# Altium PCB MOTHER_BOARD_LS1021_v1.0.PcbDoc (part 1 of 15) (continued)
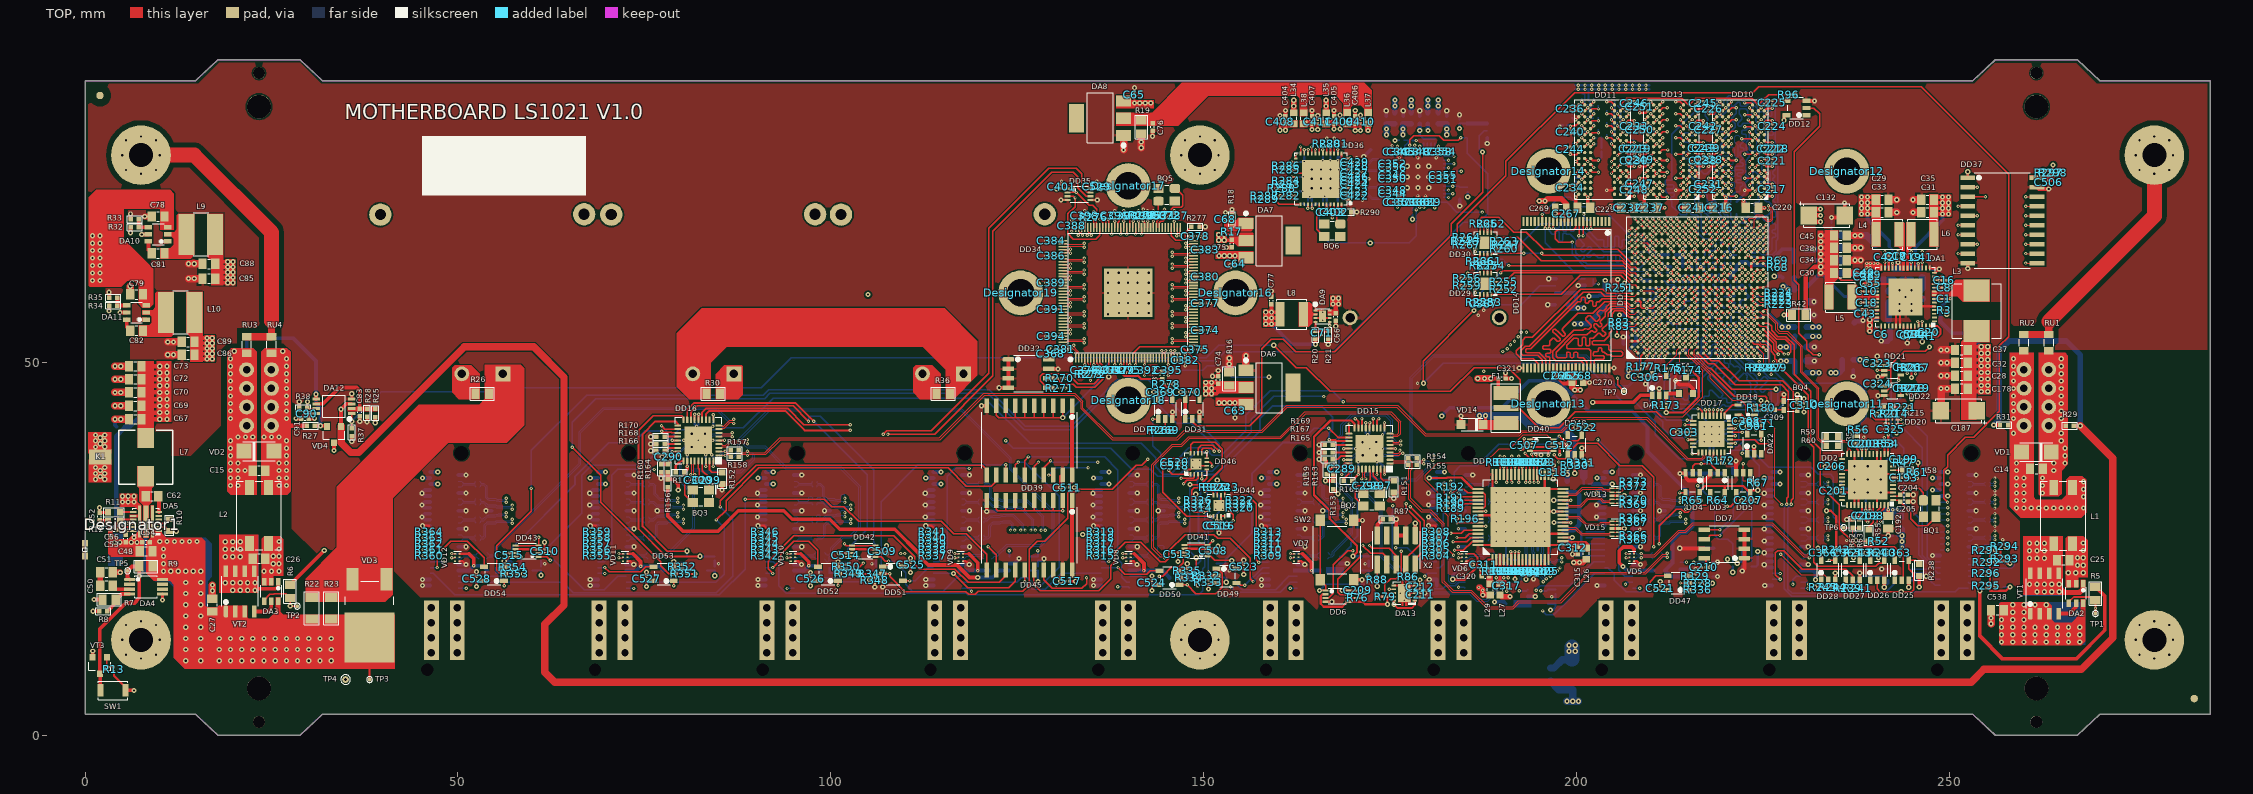
[diagram p0: TOP view]
## Classes and differential pairs (continued)
differential pair class 90: HUB1_USB1_D HUB1_USB2_D HUB1_USB3_D HUB1_USB4_D HUB2_USB1_D HUB2_USB2_D HUB2_USB3_D HUB2_USB4_D USB1 USB1_D USB2_D USB3_D USB4_D USB5_D USB6_D USB7_D USB8_D USB_ULPI
differential pair class 100: CPU_TXRX_A CPU_TXRX_B CPU_TXRX_C CPU_TXRX_D DDR_CK DDR_DQS0 DDR_DQS1 DDR_DQS2 DDR_DQS3 DDR_DQS8 HDMI_TX0_OUT HDMI_TX1_OUT HDMI_TX2_OUT HDMI_TXC_OUT P0_TXRX_A P0_TXRX_B P0_TXRX_C P0_TXRX_D P1_TXRX_A P1_TXRX_B P1_TXRX_C P1_TXRX_D P2_TXRX_A P2_TXRX_B P2_TXRX_C P2_TXRX_D P3_TXRX_A P3_TXRX_B P3_TXRX_C P3_TXRX_D P4_TXRX_A P4_TXRX_B P4_TXRX_C P4_TXRX_D P5_TXRX_A P5_TXRX_B P5_TXRX_C P5_TXRX_D P6_TXRX_A P6_TXRX_B P6_TXRX_C P6_TXRX_D P7_TXRX_A P7_TXRX_B P7_TXRX_C P7_TXRX_D P8_TXRX_A P8_TXRX_B P8_TXRX_C P8_TXRX_D P9_SGMII_RX P9_SGMII_TX P10_SGMII_RX P10_SGMII_TX PHY1_TXRX_A PHY1_TXRX_B PHY1_TXRX_C PHY1_TXRX_D PHY2_TXRX_A PHY2_TXRX_B PHY2_TXRX_C PHY2_TXRX_D PHY3_TXRX_A PHY3_TXRX_B PHY3_TXRX_C PHY3_TXRX_D PHY4_TXRX_A PHY4_TXRX_B PHY4_TXRX_C PHY4_TXRX_D PHY5_TXRX_A PHY5_TXRX_B PHY5_TXRX_C PHY5_TXRX_D PHY6_TXRX_A PHY6_TXRX_B PHY6_TXRX_C PHY6_TXRX_D PHY7_TXRX_A PHY7_TXRX_B PHY7_TXRX_C PHY7_TXRX_D PHY8_TXRX_A PHY8_TXRX_B PHY8_TXRX_C PHY8_TXRX_D SD1_REFCLK SD1_RX2 SD1_RX3 SD1_TX2 SD1_TX3 SGMII0_RX SGMII0_TX SGMII1_RX SGMII1_TX
net class LCD: 2D_D00 2D_D01 2D_D02 2D_D03 2D_D04 2D_D05 2D_D06 2D_D07 2D_D08 2D_D09 2D_D10 2D_D11 C_CLK CD_EN CH_SYNC CV_SYNC
net class DDR_AddressAndControls: DDR_A0 DDR_A1 DDR_A2 DDR_A3 DDR_A4 DDR_A5 DDR_A6 DDR_A7 DDR_A8 DDR_A9 DDR_A10 DDR_A11 DDR_A12 DDR_A13 DDR_A14 DDR_A15 DDR_BA0 DDR_BA1 DDR_BA2 DDR_CAS DDR_CK_N DDR_CK_P DDR_CS DDR_ODT DDR_RAS DDR_WE
net class 12V: PVIN VIN1 VIN1+ VIN1- VIN2 VIN2+ VIN2-
differential pair CPU_TXRX_A: +CPU_TXRX_A_P -CPU_TXRX_A_N
differential pair CPU_TXRX_B: +CPU_TXRX_B_P -CPU_TXRX_B_N
differential pair CPU_TXRX_C: +CPU_TXRX_C_P -CPU_TXRX_C_N
differential pair CPU_TXRX_D: +CPU_TXRX_D_P -CPU_TXRX_D_N
differential pair DDR_CK: +DDR_CK_P -DDR_CK_N
differential pair DDR_DQS0: +DDR_DQS0_P -DDR_DQS0_N
differential pair DDR_DQS1: +DDR_DQS1_P -DDR_DQS1_N
differential pair DDR_DQS2: +DDR_DQS2_P -DDR_DQS2_N
differential pair DDR_DQS3: +DDR_DQS3_P -DDR_DQS3_N
differential pair DDR_DQS8: +DDR_DQS8_P -DDR_DQS8_N
differential pair HDMI_TX0_OUT: +HDMI_TX0_OUT_P -HDMI_TX0_OUT_N
differential pair HDMI_TX1_OUT: +HDMI_TX1_OUT_P -HDMI_TX1_OUT_N
differential pair HDMI_TX2_OUT: +HDMI_TX2_OUT_P -HDMI_TX2_OUT_N
differential pair HDMI_TXC_OUT: +HDMI_TXC_OUT_P -HDMI_TXC_OUT_N
differential pair HUB1_USB1_D: +HUB1_USB1_D_P -HUB1_USB1_D_N
differential pair HUB1_USB2_D: +HUB1_USB2_D_P -HUB1_USB2_D_N
differential pair HUB1_USB3_D: +HUB1_USB3_D_P -HUB1_USB3_D_N
differential pair HUB1_USB4_D: +HUB1_USB4_D_P -HUB1_USB4_D_N
differential pair HUB2_USB1_D: +HUB2_USB1_D_P -HUB2_USB1_D_N
differential pair HUB2_USB2_D: +HUB2_USB2_D_P -HUB2_USB2_D_N
differential pair HUB2_USB3_D: +HUB2_USB3_D_P -HUB2_USB3_D_N
differential pair HUB2_USB4_D: +HUB2_USB4_D_P -HUB2_USB4_D_N
differential pair P0_TXRX_A: +P0_TXRX_A_P -P0_TXRX_A_N
differential pair P0_TXRX_B: +P0_TXRX_B_P -P0_TXRX_B_N
differential pair P0_TXRX_C: +P0_TXRX_C_P -P0_TXRX_C_N
differential pair P0_TXRX_D: +P0_TXRX_D_P -P0_TXRX_D_N
differential pair P9_SGMII_RX: +P9_SGMII_RX_P -P9_SGMII_RX_N
differential pair P9_SGMII_TX: +P9_SGMII_TX_P -P9_SGMII_TX_N
differential pair P10_SGMII_RX: +P10_SGMII_RX_P -P10_SGMII_RX_N
differential pair P10_SGMII_TX: +P10_SGMII_TX_P -P10_SGMII_TX_N
differential pair PHY1_TXRX_A: +PHY1_TXRX_A_P -PHY1_TXRX_A_N
differential pair PHY1_TXRX_B: +PHY1_TXRX_B_P -PHY1_TXRX_B_N
differential pair PHY1_TXRX_C: +PHY1_TXRX_C_P -PHY1_TXRX_C_N
differential pair PHY1_TXRX_D: +PHY1_TXRX_D_P -PHY1_TXRX_D_N
differential pair PHY2_TXRX_A: +PHY2_TXRX_A_P -PHY2_TXRX_A_N
differential pair PHY2_TXRX_B: +PHY2_TXRX_B_P -PHY2_TXRX_B_N
differential pair PHY2_TXRX_C: +PHY2_TXRX_C_P -PHY2_TXRX_C_N
differential pair PHY2_TXRX_D: +PHY2_TXRX_D_P -PHY2_TXRX_D_N
differential pair PHY3_TXRX_A: +PHY3_TXRX_A_P -PHY3_TXRX_A_N
differential pair PHY3_TXRX_B: +PHY3_TXRX_B_P -PHY3_TXRX_B_N
differential pair PHY3_TXRX_C: +PHY3_TXRX_C_P -PHY3_TXRX_C_N
differential pair PHY3_TXRX_D: +PHY3_TXRX_D_P -PHY3_TXRX_D_N
differential pair PHY4_TXRX_A: +PHY4_TXRX_A_P -PHY4_TXRX_A_N
differential pair PHY4_TXRX_B: +PHY4_TXRX_B_P -PHY4_TXRX_B_N
differential pair PHY4_TXRX_C: +PHY4_TXRX_C_P -PHY4_TXRX_C_N
differential pair PHY4_TXRX_D: +PHY4_TXRX_D_P -PHY4_TXRX_D_N
differential pair PHY5_TXRX_A: +PHY5_TXRX_A_P -PHY5_TXRX_A_N
differential pair PHY5_TXRX_B: +PHY5_TXRX_B_P -PHY5_TXRX_B_N
differential pair PHY5_TXRX_C: +PHY5_TXRX_C_P -PHY5_TXRX_C_N
differential pair PHY5_TXRX_D: +PHY5_TXRX_D_P -PHY5_TXRX_D_N
differential pair PHY6_TXRX_A: +PHY6_TXRX_A_P -PHY6_TXRX_A_N
differential pair PHY6_TXRX_B: +PHY6_TXRX_B_P -PHY6_TXRX_B_N
differential pair PHY6_TXRX_C: +PHY6_TXRX_C_P -PHY6_TXRX_C_N
differential pair PHY6_TXRX_D: +PHY6_TXRX_D_P -PHY6_TXRX_D_N
differential pair PHY7_TXRX_A: +PHY7_TXRX_A_P -PHY7_TXRX_A_N
differential pair PHY7_TXRX_B: +PHY7_TXRX_B_P -PHY7_TXRX_B_N
differential pair PHY7_TXRX_C: +PHY7_TXRX_C_P -PHY7_TXRX_C_N
differential pair PHY7_TXRX_D: +PHY7_TXRX_D_P -PHY7_TXRX_D_N
differential pair PHY8_TXRX_A: +PHY8_TXRX_A_P -PHY8_TXRX_A_N
differential pair PHY8_TXRX_B: +PHY8_TXRX_B_P -PHY8_TXRX_B_N
differential pair PHY8_TXRX_C: +PHY8_TXRX_C_P -PHY8_TXRX_C_N
differential pair PHY8_TXRX_D: +PHY8_TXRX_D_P -PHY8_TXRX_D_N
differential pair SD1_REFCLK: +SD1_REFCLK_P -SD1_REFCLK_N
differential pair SD1_RX2: +SD1_RX2_P -SD1_RX2_N
differential pair SD1_RX3: +SD1_RX3_P -SD1_RX3_N
differential pair SD1_TX2: +SD1_TX2_P -SD1_TX2_N
differential pair SD1_TX3: +SD1_TX3_P -SD1_TX3_N
differential pair USB1: +USB1_P -USB1_N
differential pair USB_ULPI: +USB_ULPI_P -USB_ULPI_N
differential pair SGMII0_RX: +SGMII0_RX_P -SGMII0_RX_N
differential pair SGMII0_TX: +SGMII0_TX_P -SGMII0_TX_N
differential pair SGMII1_RX: +SGMII1_RX_P -SGMII1_RX_N
differential pair SGMII1_TX: +SGMII1_TX_P -SGMII1_TX_N
differential pair P1_TXRX_A: +P1_TXRX_A_P -P1_TXRX_A_N
differential pair P1_TXRX_B: +P1_TXRX_B_P -P1_TXRX_B_N
differential pair P1_TXRX_C: +P1_TXRX_C_P -P1_TXRX_C_N
differential pair P1_TXRX_D: +P1_TXRX_D_P -P1_TXRX_D_N
differential pair P2_TXRX_A: +P2_TXRX_A_P -P2_TXRX_A_N
differential pair P2_TXRX_B: +P2_TXRX_B_P -P2_TXRX_B_N
differential pair P2_TXRX_C: +P2_TXRX_C_P -P2_TXRX_C_N
differential pair P2_TXRX_D: +P2_TXRX_D_P -P2_TXRX_D_N
differential pair P3_TXRX_A: +P3_TXRX_A_P -P3_TXRX_A_N
differential pair P3_TXRX_B: +P3_TXRX_B_P -P3_TXRX_B_N
differential pair P3_TXRX_C: +P3_TXRX_C_P -P3_TXRX_C_N
differential pair P3_TXRX_D: +P3_TXRX_D_P -P3_TXRX_D_N
differential pair P4_TXRX_A: +P4_TXRX_A_P -P4_TXRX_A_N
differential pair P4_TXRX_B: +P4_TXRX_B_P -P4_TXRX_B_N
differential pair P4_TXRX_C: +P4_TXRX_C_P -P4_TXRX_C_N
differential pair P4_TXRX_D: +P4_TXRX_D_P -P4_TXRX_D_N
differential pair P5_TXRX_A: +P5_TXRX_A_P -P5_TXRX_A_N
differential pair P5_TXRX_B: +P5_TXRX_B_P -P5_TXRX_B_N
differential pair P5_TXRX_C: +P5_TXRX_C_P -P5_TXRX_C_N
differential pair P5_TXRX_D: +P5_TXRX_D_P -P5_TXRX_D_N
differential pair P6_TXRX_A: +P6_TXRX_A_P -P6_TXRX_A_N
differential pair P6_TXRX_B: +P6_TXRX_B_P -P6_TXRX_B_N
differential pair P6_TXRX_C: +P6_TXRX_C_P -P6_TXRX_C_N
differential pair P6_TXRX_D: +P6_TXRX_D_P -P6_TXRX_D_N
differential pair P7_TXRX_A: +P7_TXRX_A_P -P7_TXRX_A_N
differential pair P7_TXRX_B: +P7_TXRX_B_P -P7_TXRX_B_N
differential pair P7_TXRX_C: +P7_TXRX_C_P -P7_TXRX_C_N
differential pair P7_TXRX_D: +P7_TXRX_D_P -P7_TXRX_D_N
differential pair P8_TXRX_A: +P8_TXRX_A_P -P8_TXRX_A_N
differential pair P8_TXRX_B: +P8_TXRX_B_P -P8_TXRX_B_N
differential pair P8_TXRX_C: +P8_TXRX_C_P -P8_TXRX_C_N
differential pair P8_TXRX_D: +P8_TXRX_D_P -P8_TXRX_D_N
differential pair USB1_D: +USB1_D_P -USB1_D_N
differential pair USB2_D: +USB2_D_P -USB2_D_N
differential pair USB3_D: +USB3_D_P -USB3_D_N
differential pair USB4_D: +USB4_D_P -USB4_D_N
differential pair USB5_D: +USB5_D_P -USB5_D_N
differential pair USB6_D: +USB6_D_P -USB6_D_N
differential pair USB7_D: +USB7_D_P -USB7_D_N
differential pair USB8_D: +USB8_D_P -USB8_D_N

## Components (designator, comment, footprint, x,y, rotation, side; value= is the part's Value field where it differs from the comment)
BQ1 "25 MHz" SMD0302#1 247.375,30.4 r270 top
BQ2 "24 MHz" DS321G 172.525,31.525 r180 top
BQ3 "24 MHz" DS321G 82.575,32.025 r180 top
BQ4 "26 МГц" DSB211SDN 228.725,44.25 r180 top
BQ5 "25 MHz" SMD0302#2 145.05,72.475 r0 top
BQ6 "25 MHz" SMD0302#1 167.25,67.725 r180 top
C1 "0,1 мкФ" C0201 249.35,58.525 r180 top
C2 "4,7 мкФ" C0603 247.15,58.525 r0 bottom
C3 "1 мкФ" C0201 244.875,53.8 r270 top
C4 "0,22 мкФ" C0201 245.375,53.8 r90 top
C5 "1 мкФ" C0201 243.875,53.8 r270 top
C6 "0,47 мкФ" C0201 240.875,53.8 r90 top
C7 "1 мкФ" C0201 244.375,53.55 r270 top
C8 "0,1 мкФ" C0201 249.35,60.025 r180 top
C9 "0,1 мкФ" C0201 243.375,64.225 r270 top
C10 "0,1 мкФ" C0201 238.9,59.525 r0 top
C11 "4,7 мкФ" C0603 247.15,60.025 r0 bottom
C12 "4,7 мкФ" C0603 243.7,61.8 r90 bottom
C13 "4,7 мкФ" C0603 241.1,59.525 r180 bottom
C14 "0,1 мкФ" C0805 261.675,35.725 r0 top
C15 "0,1 мкФ" C0805 23.325,35.5 r180 top
C16 "0,1 мкФ" C0201 249.35,61.025 r180 top
C17 "0,1 мкФ" C0201 242.875,64.225 r270 top
C18 "0,1 мкФ" C0201 238.9,58.025 r0 top
C19 "0,1 мкФ" C0201 244.875,64.125 r270 top
C20 "0,1 мкФ" C0201 247.225,54.075 r0 top
C21 "4,7 мкФ" C0603 247.15,61.35 r0 bottom
C22 "4,7 мкФ" C0603 242.55,61.8 r90 bottom
C23 "4,7 мкФ" C0603 241.1,58.025 r180 bottom
C24 "4,7 мкФ" C0603 244.875,61.8 r90 bottom
C25 "0,1 мкФ" C0805 265.275,23.5 r180 top
C26 "0,1 мкФ" C0805 23.325,23.7 r180 top
C27 "22 мкФ" C0805 17.075,17.45 r90 top
C28 "22 мкФ" C0805 251.625,48.225 r0 top
C29 "22 мкФ" C0805 241,71.825 r180 top
C30 "22 мкФ" C0805 235.4,62 r180 top
C31 "22 мкФ" C0805 247.1,70.125 r0 top
C32 "22 мкФ" C0805 251.625,49.95 r0 top
C33 "22 мкФ" C0805 241,70.125 r180 top
C34 "22 мкФ" C0805 235.4,63.7 r180 top
C35 "22 мкФ" C0805 247.1,71.825 r0 top
C36 "1 мкФ" C0201 238.625,61.525 r0 top
C37 "22 мкФ" C0805 251.625,51.675 r0 top
C38 "22 мкФ" C0805 235.4,65.375 r180 top
C39 "0,1 мкФ" C0201 239.45,61.775 r270 top
C40 "0,1 мкФ" C0201 238.625,62.025 r0 top
C41 "0,47 мкФ" C0201 246.375,64.125 r270 top
C42 "0,47 мкФ" C0201 241.375,64.125 r270 top
C43 "0,47 мкФ" C0201 238.7,56.525 r0 top
C44 "22 мкФ" C0805 251.625,48.225 r0 bottom
C45 "22 мкФ" C0805 235.4,67.025 r180 top
C46 "220 мкФ 63 В" WCAP-ASLL_12.5x14 9.05,23.95 r0 bottom
C47 "22 мкФ" C0805 251.625,49.95 r0 bottom
C48 "22 мкФ" C0805 8.175,24.675 r0 top
C49 "22 мкФ" C0805 251.625,51.675 r0 bottom
C50 "22 мкФ" C0805 2.875,20.075 r0 top
C51 "22 мкФ" C0805 2.875,21.85 r180 top
C52 "22 нФ" C0402 1.95,29.35 r90 top
C53 "2,2 нФ" C0402 5.45,26.375 r270 top
C54 "22 нФ" C0402 8.175,25.875 r180 top
C55 "1 мкФ" C0201 239.45,60.6 r90 top
C56 "15 пФ" C0402 3.875,27.6 r180 top
C57 "4,7 мкФ" C0603 246.95,62.525 r0 bottom
C58 "4,7 мкФ" C0603 241.375,61.8 r90 bottom
C59 "4,7 мкФ" C0603 240.2,61.8 r90 bottom
C60 "4,7 мкФ" C0603 241.1,56.85 r180 bottom
C61 "4,7 мкФ" C0603 241.1,55.7 r180 bottom
C62 "0,1 мкФ" C0805 8.975,32.05 r0 top
C63 "0,1 мкФ" C0201 154.225,43.55 r270 top
C64 "0,1 мкФ" C0201 154.225,63.25 r270 top
C65 "0,1 мкФ" C0201 140.725,85.9 r90 top
C66 "10 мкФ" C0402 167.725,56.125 r270 top
C67 "22 мкФ" C0805 6.725,42.375 r180 top
C68 "0,1 мкФ" C0201 152.925,69.2 r90 top
C69 "22 мкФ" C0805 6.725,44.182 r180 top
C70 "22 мкФ" C0805 6.725,45.982 r0 top
C71 "22 пФ" C0201 165.875,54 r270 top
C72 "22 мкФ" C0805 6.725,47.75 r180 top
C73 "22 мкФ" C0805 6.725,49.5 r0 top
C74 "10 мкФ" C0402 151.975,47.65 r90 top
C75 "10 мкФ" C0402 153.8,65.925 r270 top
C76 "10 мкФ" C0402 143.15,81.575 r270 top
C77 "10 мкФ" C0402 159.1,58.3 r90 top
C78 "22 мкФ" C0805 9.8,69.575 r180 top
C79 "22 мкФ" C0805 6.9,59.125 r180 top
C80 "5 Ф" WEC6R0505QG 53.275,48.475 r180 bottom
C81 "0,1 мкФ" C0805 9.8,64.625 r180 top
C82 "0,1 мкФ" C0805 6.9,54.275 r180 top
C83 "10 мкФ" C0402 36.85,43.3 r270 top
C84 "5 Ф" WEC6R0505QG 84.25,48.475 r180 bottom
C85 "22 мкФ" C0805 16.6,61.25 r180 top
C86 "22 мкФ" C0805 13.825,51.025 r180 top
C87 "5 Ф" WEC6R0505QG 115.05,48.475 r180 bottom
C88 "22 мкФ" C0805 16.6,63.225 r180 top
C89 "22 мкФ" C0805 13.825,52.75 r180 top
C90 "0,1 мкФ" C0201 29.725,43.15 r0 top
C91 "10 мкФ" C0402 29.5,42.475 r180 top
C92 "22 мкФ" C0805 240.1,65.025 r90 bottom
C93 "22 мкФ" C0805 210.825,61 r0 bottom
C94 "0,47 мкФ" C0201 210,59.65 r90 bottom
C95 "0,1 мкФ" C0201 210.525,59.65 r270 bottom
C96 "0,1 мкФ" C0201 210.45,57.25 r270 bottom
C97 "0,1 мкФ" C0201 210.275,58.85 r180 bottom
C98 "0,47 мкФ" C0201 212.725,59.125 r180 bottom
C99 "0,47 мкФ" C0201 213.05,60.075 r0 bottom
C100 "22 мкФ" C0805 230.05,50.2 r0 bottom
C101 "22 мкФ" C0805 230,56.35 r180 bottom
C102 "22 мкФ" C0805 229.95,65.2 r180 bottom
C103 "4,7 мкФ" C0603 219.85,58.05 r270 bottom
C104 "4,7 мкФ" C0603 221.475,63.675 r90 bottom
C105 "0,47 мкФ" C0201 214.25,57.55 r0 bottom
C106 "0,47 мкФ" C0201 218.25,55.65 r270 bottom
C107 "0,47 мкФ" C0201 216.275,56.05 r90 bottom
C108 "2,2 нФ" C0402 221.225,58.45 r90 bottom
C109 "2,2 нФ" C0402 220.65,60.85 r90 bottom
C110 "1 мкФ" C0201 214.75,65.25 r270 bottom
C111 "1 мкФ" C0201 212.65,57.55 r180 bottom
C112 "1 мкФ" C0201 212.65,58.575 r180 bottom
C113 "10 мкФ" C0402 212.85,64.45 r180 bottom
C114 "10 мкФ" C0402 206.5,56.975 r270 bottom
C115 "10 мкФ" C0402 204.95,59.025 r180 bottom
C116 "0,47 мкФ" C0201 216.65,58.55 r0 bottom
C117 "0,47 мкФ" C0201 215.85,60.45 r90 bottom
C118 "0,47 мкФ" C0201 214.675,58.45 r90 bottom
C119 "0,47 мкФ" C0201 207,54.075 r0 bottom
C120 "0,47 мкФ" C0201 212.65,57 r0 bottom
C121 "0,47 мкФ" C0201 219.45,60.825 r180 bottom
C122 "0,47 мкФ" C0201 224.5,57.375 r270 bottom
C123 "0,47 мкФ" C0201 216.65,59.55 r180 bottom
C124 "0,47 мкФ" C0201 218.25,59.1 r180 bottom
C125 "0,47 мкФ" C0201 216.65,58.05 r180 bottom
C126 "2,2 нФ" C0402 207.475,53.4 r180 bottom
C127 "0,47 мкФ" C0201 212.15,55.7 r270 bottom
C128 "0,47 мкФ" C0201 219.45,60.075 r180 bottom
C129 "0,47 мкФ" C0201 222.25,57.775 r180 bottom
C130 "22 мкФ" C0805 198.025,57.75 r0 bottom
C131 "22 мкФ" C0805 237.25,56.175 r90 bottom
C132 "220 мкФ 6,3 В" CaseC 233.575,69.725 r0 top
C133 "0,47 мкФ" C0201 207.025,72.3 r0 bottom
C134 "0,47 мкФ" C0201 219.05,66.05 r180 bottom
C135 "0,47 мкФ" C0201 217.5,64.45 r0 bottom
C136 "0,47 мкФ" C0201 216.65,63.575 r90 bottom
C137 "0,47 мкФ" C0201 216.65,59.05 r180 bottom
C138 "0,47 мкФ" C0201 216.65,57.25 r180 bottom
C139 "0,47 мкФ" C0201 218.25,57.55 r0 bottom
C140 "4,7 мкФ" C0603 207.1,52.45 r0 bottom
C141 "2,2 нФ" C0402 213.45,55 r0 bottom
C142 "0,47 мкФ" C0201 218.25,58.55 r0 bottom
C143 "0,47 мкФ" C0201 220.65,63.65 r270 bottom
C144 "0,47 мкФ" C0201 213.075,60.825 r0 bottom
C145 "0,47 мкФ" C0201 220.45,55.975 r180 bottom
C146 "22 мкФ" C0805 234.65,67.025 r0 bottom
C147 "0,47 мкФ" C0201 215.85,62.325 r180 bottom
C148 "0,47 мкФ" C0201 234.2,68.45 r90 bottom
C149 "0,47 мкФ" C0201 224.025,64.45 r90 bottom
C150 "0,47 мкФ" C0201 207.75,84.725 r90 bottom
C151 "0,47 мкФ" C0201 215.05,60.45 r90 bottom
C152 "0,47 мкФ" C0201 214.25,60.45 r90 bottom
C153 "0,47 мкФ" C0201 218.25,56.975 r0 bottom
C154 "4,7 мкФ" C0603 236.375,49 r180 bottom
C155 "2,2 нФ" C0402 218.65,61.825 r180 bottom
C156 "0,47 мкФ" C0201 221.45,60.45 r270 bottom
C157 "22 мкФ" C0805 230.05,52.075 r180 bottom
C158 "0,47 мкФ" C0201 219.525,55.725 r90 bottom
C159 "22 мкФ" C0805 234.65,63.7 r0 bottom
C160 "0,47 мкФ" C0201 199.9,74.5 r270 bottom
C161 "0,47 мкФ" C0201 199.4,83.075 r270 bottom
C162 "0,47 мкФ" C0201 198.475,81.825 r0 bottom
C163 "0,47 мкФ" C0201 223.525,64.45 r270 bottom
C164 "0,47 мкФ" C0201 216.15,61.675 r0 bottom
C165 "0,47 мкФ" C0201 214.675,61.675 r180 bottom
C166 "22 мкФ" C0805 241,70.125 r0 bottom
C167 "4,7 мкФ" C0603 217.55,60.45 r0 bottom
C168 "2,2 нФ" C0402 222.7,60.45 r0 bottom
C169 "0,47 мкФ" C0201 220.45,55.45 r180 bottom
C170 "0,47 мкФ" C0201 215.225,57.975 r270 bottom
C171 "22 мкФ" C0805 234.65,62 r0 bottom
C172 "0,47 мкФ" C0201 220.725,65.45 r0 bottom
C173 "0,47 мкФ" C0201 218.25,65.25 r270 bottom
C174 "0,47 мкФ" C0201 220.25,64.875 r180 bottom
C175 "0,47 мкФ" C0201 219.85,63.65 r270 bottom
C176 "4,7 мкФ" C0603 223.825,58.85 r180 bottom
C177 "0,47 мкФ" C0201 216.975,61.975 r270 bottom
C178 "22 мкФ" C0805 251.625,46.5 r180 top
C179 "0,47 мкФ" C0201 214.35,56.975 r0 bottom
C180 "22 мкФ" C0805 241.2,54.225 r180 bottom
C181 "22 мкФ" C0805 234.65,65.375 r0 bottom
C182 "0,47 мкФ" C0201 218.25,63.65 r90 bottom
C183 "0,47 мкФ" C0201 219,62.85 r0 bottom
C184 "0,47 мкФ" C0201 217.45,62.85 r180 bottom
C185 "0,47 мкФ" C0201 215.85,62.85 r0 bottom
C186 "22 мкФ" C0805 251.625,46.5 r0 bottom
C187 "220 мкФ 6,3 В" CaseC 251.275,43.525 r180 top
C188 "0,47 мкФ" C0201 211.575,63.65 r270 bottom
C189 "22 мкФ" C0805 230,58.15 r0 bottom
C190 "0,1 мкФ" C0201 242.7,26.75 r0 bottom
C191 "22 мкФ" C0805 241.8,28.575 r90 bottom
C192 "22 мкФ" C0805 241.8,28.575 r90 top
C193 "0,1 мкФ" C0201 243.875,34.55 r180 top
C194 "1 мкФ" C0201 242.375,37.05 r0 bottom
C195 "1 мкФ" C0201 238.3,37.625 r90 bottom
C196 "1 мкФ" C0201 235.7,33.05 r180 bottom
C197 "1 мкФ" C0201 238.8,30.95 r270 bottom
C198 "0,1 мкФ" C0201 239.3,29.475 r90 top
C199 "0,1 мкФ" C0201 243.875,37.05 r180 top
C200 "0,1 мкФ" C0201 238.3,39.125 r270 top
C201 "0,1 мкФ" C0201 234.475,32.775 r90 top
C202 "0,1 мкФ" C0201 238.8,29.475 r90 top
C203 "0,1 мкФ" C0201 238.8,39.125 r270 top
C204 "15 пФ" C0402 243.925,32.25 r180 top
C205 "15 пФ" C0402 243.925,31.35 r180 top
C206 "0,1 мкФ" C0201 234.225,36.05 r0 top
C207 "0,1 мкФ" C0201 223.025,31.5 r180 top
C208 "0,1 мкФ" C0201 222.225,22.95 r270 bottom
C209 "0,1 мкФ" C0201 170.675,19.425 r180 top
C210 "0,1 мкФ" C0201 217.1,22.55 r180 top
C211 "0,47 мкФ" C0201 179.05,18.825 r90 top
C212 "0,1 мкФ" C0201 179.025,19.95 r90 top
C213 "0,1 мкФ" C0201 200.25,58.45 r180 bottom
C214 "0,01 мкФ" C0201 215.8,64.7 r180 bottom
C215 "0,1 мкФ" C0201 215.8,64.2 r180 bottom
C216 "22 мкФ" C0805 219.15,70.75 r180 top
C217 "0,1 мкФ" C0201 226.25,73.225 r90 top
C218 "0,1 мкФ" C0201 226.625,78.65 r270 top
C219 "0,1 мкФ" C0201 208.125,78.65 r270 top
C220 "22 мкФ" C0805 223.55,70.75 r0 top
C221 "0,1 мкФ" C0201 226.25,77.025 r270 top
C222 "0,01 мкФ" C0201 226.125,78.65 r270 top
C223 "0,01 мкФ" C0201 207.625,78.65 r270 top
C224 "0,1 мкФ" C0201 226.25,81.65 r90 top
C225 "0,1 мкФ" C0201 226.25,84.825 r270 top
C226 "0,1 мкФ" C0201 217.75,84.05 r270 top
C227 "0,1 мкФ" C0201 217.75,81.2 r90 top
C228 "0,1 мкФ" C0201 217.75,77.2 r90 top
C229 "22 мкФ" C0805 201,70.75 r180 top
C230 "0,1 мкФ" C0201 207.75,77.025 r270 top
C231 "0,1 мкФ" C0201 217.75,73.925 r90 top
C232 "22 мкФ" C0805 206.85,70.75 r0 top
C233 "0,1 мкФ" C0201 207.75,81.7 r90 top
C234 "0,1 мкФ" C0201 199.175,73.45 r90 top
C235 "0,1 мкФ" C0201 203.375,78.525 r270 bottom
C236 "0,1 мкФ" C0201 199.193,84.05 r270 top
C237 "22 мкФ" C0805 209.925,70.75 r180 top
C238 "0,1 мкФ" C0201 217,77.025 r270 top
C239 "0,1 мкФ" C0201 217.375,78.7 r270 top
C240 "0,1 мкФ" C0201 199.193,80.95 r90 top
C241 "22 мкФ" C0805 215.575,70.75 r0 top
C242 "0,1 мкФ" C0201 217,81.7 r90 top
C243 "0,01 мкФ" C0201 216.875,78.7 r270 top
C244 "0,1 мкФ" C0201 199.175,78.625 r270 top
C245 "0,1 мкФ" C0201 217,84.775 r270 top
C246 "0,1 мкФ" C0201 207.75,84.775 r270 top
C247 "0,1 мкФ" C0201 208.5,73.95 r90 top
C248 "0,1 мкФ" C0201 207.75,73.175 r90 top
C249 "0,1 мкФ" C0201 208.5,77.2 r90 top
C250 "0,1 мкФ" C0201 208.5,81.175 r90 top
C251 "0,1 мкФ" C0201 208.5,84.275 r270 top
C252 "0,1 мкФ" C0201 217,73.2 r90 top
C253 "0,1 мкФ" C0201 199.8,86.9 r270 bottom
C254 "0,1 мкФ" C0201 200.7,86.9 r270 bottom
C255 "0,1 мкФ" C0201 201.625,86.9 r270 bottom
C256 "0,1 мкФ" C0201 202.525,86.9 r270 bottom
C257 "0,1 мкФ" C0201 203.425,86.9 r270 bottom
C258 "0,1 мкФ" C0201 204.35,86.9 r270 bottom
C259 "0,1 мкФ" C0201 205.25,86.9 r270 bottom
C260 "0,1 мкФ" C0201 206.175,86.9 r270 bottom
C261 "0,1 мкФ" C0201 207.075,86.9 r270 bottom
C262 "0,1 мкФ" C0201 207.975,86.9 r270 bottom
C263 "0,1 мкФ" C0201 208.875,86.9 r270 bottom
C264 "0,1 мкФ" C0201 209.8,86.9 r270 bottom
C265 "0,1 мкФ" C0201 198.65,48.225 r0 top
C266 "0,1 мкФ" C0201 197.519,48.225 r180 top
C267 "0,1 мкФ" C0201 198.65,69.95 r0 top
C268 "0,1 мкФ" C0201 200.156,48.225 r180 top
C269 "4,7 мкФ" C0603 197.9,70.85 r0 top
C270 "4,7 мкФ" C0603 200.15,47.325 r180 top
C271 "2,2мкФ" C0201 217.975,21.3 r0 bottom
C272 "2,2мкФ" C0201 197.175,17.925 r90 bottom
C273 "2,2мкФ" C0201 172.15,22.375 r90 bottom
C274 "2,2мкФ" C0201 152.95,21.425 r90 bottom
C275 "2,2мкФ" C0201 127.775,22.375 r90 bottom
C276 "2,2мкФ" C0201 106.05,22.375 r90 bottom
C277 "2,2мкФ" C0201 84.45,22.375 r90 bottom
C278 "2,2мкФ" C0201 61.125,22.375 r90 bottom
C279 "0,1 мкФ" C0201 169.5,38.45 r0 bottom
C280 "0,1 мкФ" C0201 79.5,39.55 r0 bottom
C281 "0,1 мкФ" C0201 171.75,41.2 r270 bottom
C282 "0,1 мкФ" C0201 81.75,42.3 r270 bottom
C283 "0,1 мкФ" C0201 174.25,41.2 r270 bottom
C284 "0,1 мкФ" C0201 85,39.55 r180 bottom
C285 "0,1 мкФ" C0201 175,38.45 r180 bottom
C286 "0,1 мкФ" C0201 84.25,42.3 r270 bottom
C287 "0,1 мкФ" C0201 174.25,35.7 r90 bottom
C288 "0,1 мкФ" C0201 80.75,36.8 r90 bottom
C289 "1 мкФ" C0201 168.525,35.75 r90 top
C290 "1 мкФ" C0201 78.25,37.35 r0 top
C291 "0,1 мкФ" C0201 170.75,35.7 r90 bottom
C292 "0,1 мкФ" C0201 84.25,36.8 r90 bottom
C293 "0,1 мкФ" C0201 173.25,35.7 r90 bottom
C294 "0,1 мкФ" C0201 83.25,36.8 r90 bottom
C295 "0,1 мкФ" C0201 172.25,41.2 r270 bottom
C296 "0,1 мкФ" C0201 82.25,42.3 r270 bottom
C297 "22 пФ" C0201 173.35,33.45 r180 top
C298 "22 пФ" C0201 171.9,33.45 r0 top
C299 "22 пФ" C0201 83.4,34.175 r180 top
C300 "22 пФ" C0201 82.25,34.175 r0 top
C301 "2,2мкФ" C0201 223.775,41.45 r0 top
C302 "0,1 мкФ" C0201 220.575,40.65 r180 bottom
C303 "2,2мкФ" C0201 214.475,40.65 r0 top
C304 "2,2мкФ" C0201 217.875,37.95 r270 bottom
C305 "0,1 мкФ" C0201 218.375,37.95 r90 bottom
C306 "1 мкФ" C0201 209.25,48.025 r270 top
C307 "0,1 мкФ" C0201 220.575,42.15 r180 bottom
C308 "0,1 мкФ" C0201 222.775,42.125 r180 top
C309 "2,2 нФ" C0402 226.1,43.65 r180 top
C310 "0,01 мкФ" C0201 230.525,44.25 r270 top
C311 "0,1 мкФ" C0201 187.55,22.875 r180 top
C312 "0,1 мкФ" C0201 199.475,25.125 r270 top
C313 "0,1 мкФ" C0201 198.5,31.525 r180 bottom
C314 "0,1 мкФ" C0201 194.25,21.825 r270 top
C315 "10 мкФ" C0402 200.2,24.775 r270 top
C316 "0,1 мкФ" C0201 198.5,28.525 r180 bottom
C317 "0,1 мкФ" C0201 190.675,20.05 r270 top
C318 "0,1 мкФ" C0201 196.9,35.25 r90 top
C319 "10 мкФ" C0402 198.15,30.025 r180 bottom
C320 "10 мкФ" C0402 187.775,21.325 r180 top
C321 "10 мкФ" C0402 190,47.85 r0 top
C322 "2200 пФ 4 кВ" C1812 199.5,8.125 r270 bottom
C323 "0,1 мкФ" C0201 240.325,49.875 r90 top
C324 "0,1 мкФ" C0201 240.425,47.125 r90 top
C325 "0,1 мкФ" C0201 242.125,41.075 r180 top
C326 "0,1 мкФ" C0201 244.375,49.325 r270 top
C327 "0,1 мкФ" C0201 244.35,46.575 r270 top
C328 "0,1 мкФ" C0201 255.125,33.95 r180 bottom
C329 "0,1 мкФ" C0201 255.125,33.45 r180 bottom
C330 "0,1 мкФ" C0201 255.125,31.025 r180 bottom
C331 "0,1 мкФ" C0201 255.125,31.575 r180 bottom
C332 "0,1 мкФ" C0201 255.125,29.15 r180 bottom
C333 "0,1 мкФ" C0201 255.125,28.65 r180 bottom
C334 "0,1 мкФ" C0201 255.125,26.775 r180 bottom
C335 "0,1 мкФ" C0201 255.125,26.225 r180 bottom
C336 "10 мкФ" C0402 178.975,82.525 r90 bottom
C337 "10 мкФ" C0402 174.5,82.525 r90 bottom
C338 "10 мкФ" C0402 176.775,82.525 r90 bottom
C339 "10 мкФ" C0402 182.6,82.525 r90 bottom
C340 "0,1 мкФ" C0201 184.3,82.325 r90 bottom
C341 "22 пФ" C0201 176.55,79.775 r0 bottom
C342 "22 пФ" C0201 177.725,79.775 r180 bottom
C343 "1 мкФ" C0201 178.5,78.25 r270 top
C344 "1 мкФ" C0201 175.375,72.6 r0 top
C345 "1 мкФ" C0201 176.5,78.25 r270 top
C346 "1 мкФ" C0201 175.375,75.125 r0 top
C347 "0,1 мкФ" C0201 179,78.25 r270 top
C348 "0,1 мкФ" C0201 175.375,73.125 r0 top
C349 "0,1 мкФ" C0201 176,78.25 r270 top
C350 "0,1 мкФ" C0201 175.375,74.625 r0 top
C351 "1 мкФ" C0201 182.125,74.6 r180 top
C352 "1 мкФ" C0201 175.375,76.65 r0 top
C353 "1 мкФ" C0201 176.5,71.5 r90 top
C354 "1 мкФ" C0201 182.025,78.275 r270 top
C355 "0,1 мкФ" C0201 182.125,75.125 r180 top
C356 "0,1 мкФ" C0201 175.375,76.15 r0 top
C357 "0,1 мкФ" C0201 176,71.5 r90 top
C358 "0,1 мкФ" C0201 181.5,78.275 r270 top
C359 "1 мкФ" C0201 180,71.5 r90 top
C360 "1 мкФ" C0201 178.5,71.5 r90 top
C361 "0,1 мкФ" C0201 179.5,71.5 r90 top
C362 "0,1 мкФ" C0201 179,71.5 r90 top
C363 "0,1 мкФ" C0201 242.95,24.475 r0 top
C364 "0,1 мкФ" C0201 239.675,24.45 r0 top
C365 "0,1 мкФ" C0201 236.375,24.45 r0 top
C366 "0,1 мкФ" C0201 233.066,24.47 r0 top
C367 "0,1 мкФ" C0201 187.575,57.85 r90 top
C368 "0,1 мкФ" C0201 129.5,51.2 r0 top
C369 "0,1 мкФ" C0201 144.2,46.025 r0 top
C370 "0,1 мкФ" C0201 147.825,46.025 r0 top
C371 "22 пФ" C0201 144.475,69.775 r270 top
C372 "22 пФ" C0201 145.05,69.775 r270 top
C373 "470 пФ" C0402 144.45,48.275 r270 top value="470 пФ 0402"
C374 "0,1 мкФ" C0201 150.25,54.325 r180 top
C375 "0,1 мкФ" C0201 148.9,51.725 r180 top
C376 "0,1 мкФ" C0201 134.075,48.975 r90 top
C377 "0,1 мкФ" C0201 150.2,57.925 r180 top
C378 "0,1 мкФ" C0201 148.9,66.925 r180 top
C379 "0,1 мкФ" C0201 138.875,48.975 r90 top
C380 "0,1 мкФ" C0201 150.2,61.525 r180 top
C381 "0,1 мкФ" C0201 130.85,51.8 r0 top
C382 "0,1 мкФ" C0201 147.525,50.3 r90 top
C383 "0,1 мкФ" C0201 150.2,65.125 r180 top
C384 "0,1 мкФ" C0201 129.55,66.325 r0 top
C385 "0,1 мкФ" C0201 142.475,69.65 r270 top
C386 "0,1 мкФ" C0201 129.55,64.325 r0 top
C387 "0,1 мкФ" C0201 146.075,69.65 r270 top
C388 "0,1 мкФ" C0201 132.325,68.35 r270 top
C389 "0,1 мкФ" C0201 129.55,60.7 r0 top
C390 "0,1 мкФ" C0201 139.275,69.65 r270 top
C391 "0,1 мкФ" C0201 129.55,57.125 r0 top
C392 "0,1 мкФ" C0201 142.075,48.975 r90 top
C393 "0,1 мкФ" C0201 143.275,69.65 r270 top
C394 "0,1 мкФ" C0201 129.55,53.525 r0 top
C395 "0,1 мкФ" C0201 145.275,48.975 r90 top
C396 "0,1 мкФ" C0201 138.075,69.65 r90 top
C397 "0,1 мкФ" C0201 138.075,48.975 r90 top
C398 "0,1 мкФ" C0201 134.075,69.65 r270 top
C399 "0,1 мкФ" C0201 141.275,69.65 r90 top
C400 "0,1 мкФ" C0201 135.6,49.025 r90 top
C401 "0,1 мкФ" C0201 130.95,73.575 r90 top
C402 "22 пФ" C0201 167.5,70.175 r90 top
C403 "22 пФ" C0201 167,70.175 r90 top
C404 "10 мкФ" C0402 160.975,82.5 r90 top
C405 "10 мкФ" C0402 167.5,82.525 r90 top
C406 "10 мкФ" C0402 170.325,82.525 r90 top
C407 "10 мкФ" C0402 164.55,82.5 r90 top
C408 "0,1 мкФ" C0201 160.25,82.275 r90 top
C409 "0,1 мкФ" C0201 168.275,82.3 r90 top
C410 "0,1 мкФ" C0201 171.05,82.3 r90 top
C411 "0,1 мкФ" C0201 165.3,82.275 r90 top
C412 "10 мкФ" C0402 163.325,71.775 r90 bottom
C413 "10 мкФ" C0402 168.6,72.55 r180 bottom
C414 "10 мкФ" C0402 165.175,71.775 r90 bottom
C415 "10 мкФ" C0402 167.15,71.775 r90 bottom
C416 "10 мкФ" C0402 168.6,75.2 r180 bottom
C417 "0,01 мкФ" C0201 164,71.425 r270 bottom
C418 "0,01 мкФ" C0201 168.95,71.875 r0 bottom
C419 "0,01 мкФ" C0201 167,77.825 r90 bottom
C420 "0,1 мкФ" C0201 166,71.425 r90 bottom
C421 "0,01 мкФ" C0201 168.95,75.875 r0 bottom
C422 "0,1 мкФ" C0201 170.275,72.375 r0 top
C423 "0,1 мкФ" C0201 170.275,72.875 r0 top
C424 "0,1 мкФ" C0201 170.275,73.875 r0 top
C425 "0,1 мкФ" C0201 170.275,74.375 r0 top
C426 "0,1 мкФ" C0201 170.275,74.875 r0 top
C427 "0,1 мкФ" C0201 170.275,75.375 r0 top
C428 "0,1 мкФ" C0201 170.275,76.375 r0 top
C429 "0,1 мкФ" C0201 170.275,76.875 r0 top
C430 "0,01 мкФ" C0201 166,77.825 r90 bottom
C431 "0,01 мкФ" C0201 168.95,77.375 r0 bottom
C432 "0,01 мкФ" C0201 162.575,72.975 r180 bottom
C433 "0,01 мкФ" C0201 166.5,71.425 r270 bottom